# KiCad board jetson-orin-baseboard.kicad_pcb (continued)
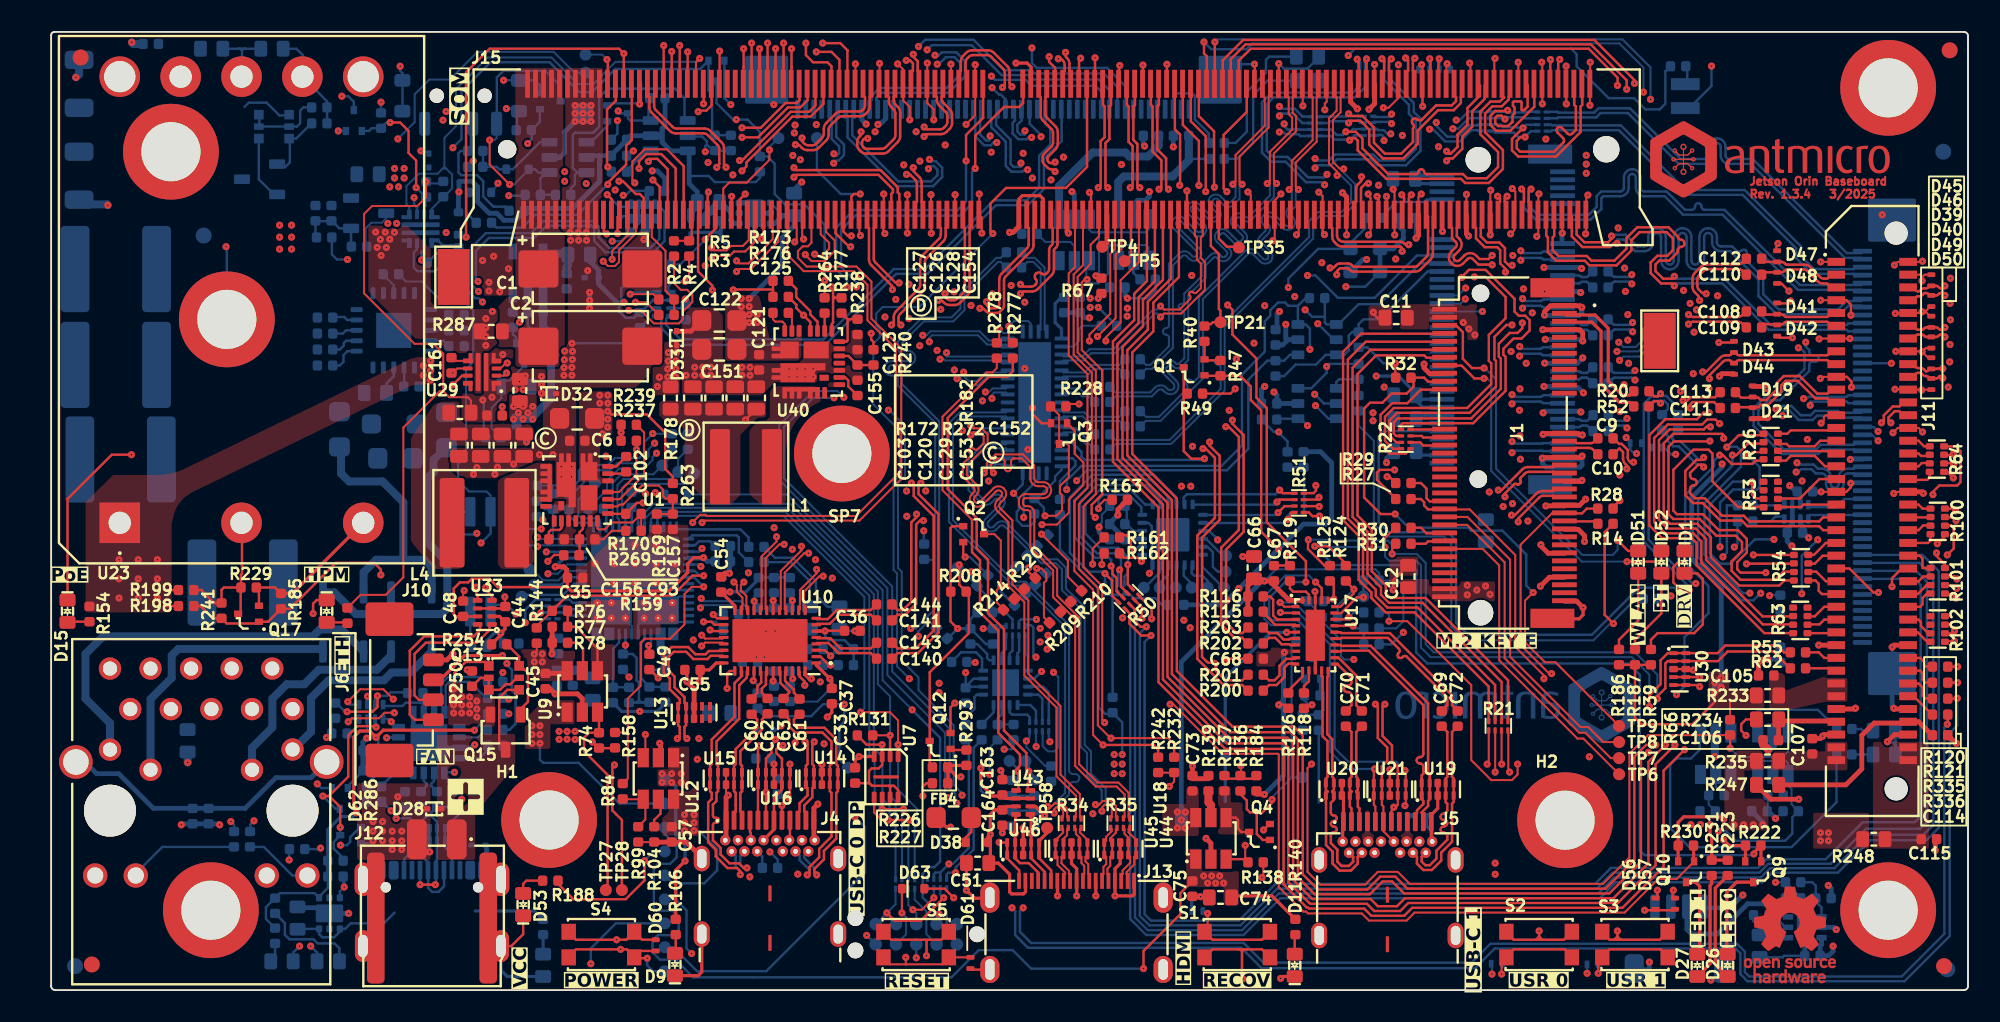
[diagram p0: board, top side]
## Library data of the parts (continued)
C74 = -: Datasheet: https://www.murata.com/products/productdetail?partno=GRM188R61A106KE69%23; Author: Antmicro; Dielectric: template_dielectric; License: Apache-2.0; MPN: GRM188R61A106KE69D; Manufacturer: Murata; Val: 10u; Field12: License: Apache-2.0; Field13: Author: Antmicro
C76 = -: Datasheet: https://product.samsungsem.com/mlcc/CL21B104KCFNNN.do; Author: Antmicro; Dielectric: X7R; License: Apache-2.0; MPN: CL21B104KCFNNNE; Manufacturer: Samsung Electro-Mechanics; Public: False; Val: 100n; Voltage: 100V; Field12: License: Apache-2.0; Field13: Author: Antmicro
C77 = -: Datasheet: https://spicat.kyocera-avx.com/product/mlcc/chartview/06031C103JAT2A/; Author: Antmicro; License: Apache-2.0; MPN: 06031C103JAT2A; Manufacturer: AVX; Val: 10n; Field11: License: Apache-2.0; Field13: Author: Antmicro
C79 C80 C82 = -: Datasheet: https://product.tdk.com/en/search/capacitor/ceramic/mlcc/info?part_no=C5750X7S2A226M280KB; Author: Antmicro; Dielectric: X7S; License: Apache-2.0; MPN: C5750X7S2A226M280KB; Manufacturer: TDK; Public: False; Val: 22u; Voltage: 100V; Field12: Author: Antmicro; Field13: License: Apache-2.0
C81 = -: Datasheet: https://product.tdk.com/en/search/capacitor/ceramic/mlcc/info?part_no=C5750X7S2A226M280KB; Author: Antmicro; Dielectric: X7S; License: Apache-2.0; MPN: C5750X7S2A226M280KB; Manufacturer: TDK; Public: False; Val: 22u; Voltage: 100V; Field13: Author: Antmicro; Field14: License: Apache-2.0
C84 = -: Datasheet: https://product.tdk.com/en/search/capacitor/ceramic/mlcc/info?part_no=C3216X5R1C476M160AB; Author: Antmicro; Dielectric: X5R; License: Apache-2.0; MPN: C3216X5R1C476M160AB; Manufacturer: TDK; Public: False; Val: 47u; Voltage: 16V; Field12: Author: Antmicro; Field13: License: Apache-2.0
C85 = -: Datasheet: https://product.tdk.com/en/search/capacitor/ceramic/mlcc/info?part_no=C3216X5R1C476M160AB; Author: Antmicro; Dielectric: X5R; License: Apache-2.0; MPN: C3216X5R1C476M160AB; Manufacturer: TDK; Public: False; Val: 47u; Voltage: 16V; Field12: License: Apache-2.0; Field13: Author: Antmicro
C93 C98 C106 = -: Datasheet: https://product.tdk.com/en/search/capacitor/ceramic/mlcc/info?part_no=C1005X6S1A105K050BC; Author: Antmicro; License: Apache-2.0; MPN: C1005X6S1A105K050BC; Manufacturer: TDK; Val: 1u; Field11: License: Apache-2.0; Field12: Author: Antmicro
C95 C105 C107 C115 C123 = -: Datasheet: https://product.tdk.com/en/search/capacitor/ceramic/mlcc/info?part_no=C1005X6S1A105K050BC; Author: Antmicro; License: Apache-2.0; MPN: C1005X6S1A105K050BC; Manufacturer: TDK; Val: 1u; Field11: License: Apache-2.0; Field13: Author: Antmicro
C99 = -: Datasheet: https://product.tdk.com/en/search/capacitor/ceramic/mlcc/info?part_no=C1005X6S1A105K050BC; Author: Antmicro; License: Apache-2.0; MPN: C1005X6S1A105K050BC; Manufacturer: TDK; Val: 1u; Field11: Author: Antmicro; Field12: License: Apache-2.0
C103 C128 = -: Datasheet: https://product.samsungsem.com/mlcc/CL10A226MO7JZN.do; Description: SMD Multilayer Ceramic Capacitor; Manufacturer: Samsung Electro-Mechanics; MPN: CL10A226MO7JZNC; Val: 22u; License: Apache-2.0; Author: Antmicro; Voltage: 16V; Field11: License: Apache-2.0; Field12: Author: Antmicro
C114 C142 = -: Datasheet: https://product.tdk.com/en/search/capacitor/ceramic/mlcc/info?part_no=C1005X6S1A105K050BC; Author: Antmicro; License: Apache-2.0; MPN: C1005X6S1A105K050BC; Manufacturer: TDK; Val: 1u; Field11: Author: Antmicro; Field13: License: Apache-2.0
C120 = -: Datasheet: https://product.samsungsem.com/mlcc/CL10A226MO7JZN.do; Description: SMD Multilayer Ceramic Capacitor; Manufacturer: Samsung Electro-Mechanics; MPN: CL10A226MO7JZNC; Val: 22u; License: Apache-2.0; Author: Antmicro; Voltage: 16V; Field12: Author: Antmicro; Field13: License: Apache-2.0
C122 = -: Datasheet: https://product.samsungsem.com/mlcc/CL21A226MAYNNN.do; Author: Antmicro; Dielectric: X5R; License: Apache-2.0; MPN: CL21A226MAYNNNE; Manufacturer: Samsung Electro-Mechanics; Public: False; Val: 22u; Voltage: 25V; Field12: License: Apache-2.0; Field14: Author: Antmicro
C126 C127 C153 = -: Datasheet: https://product.samsungsem.com/mlcc/CL10A226MO7JZN.do; Description: SMD Multilayer Ceramic Capacitor; Manufacturer: Samsung Electro-Mechanics; MPN: CL10A226MO7JZNC; Val: 22u; License: Apache-2.0; Author: Antmicro; Voltage: 16V; Field11: License: Apache-2.0; Field13: Author: Antmicro
C129 = -: Datasheet: https://product.samsungsem.com/mlcc/CL10A226MO7JZN.do; Description: SMD Multilayer Ceramic Capacitor; Manufacturer: Samsung Electro-Mechanics; MPN: CL10A226MO7JZNC; Val: 22u; License: Apache-2.0; Author: Antmicro; Voltage: 16V; Field12: License: Apache-2.0; Field13: Author: Antmicro
C136 = -: Datasheet: https://www.murata.com/products/productdetail?partno=GRM155C61E475ME15%23; Author: Antmicro; Dielectric: X5S; License: Apache-2.0; MPN: GRM155C61E475ME15J; Manufacturer: Murata; Val: 4u7; Voltage: 25V; Field12: Author: Antmicro; Field13: License: Apache-2.0
C145 = -: Datasheet: https://www.kemet.com/en/us/capacitors/product/C0402C470J5GACTU.html; Author: Antmicro; Dielectric: C0G; License: Apache-2.0; MPN: C0402C470J5GACTU; Manufacturer: KEMET; Val: 47p; Field11: License: Apache-2.0; Field13: Author: Antmicro
C146 = -: Datasheet: https://www.kemet.com/en/us/capacitors/product/C0402C470J5GACTU.html; Author: Antmicro; Dielectric: C0G; License: Apache-2.0; MPN: C0402C470J5GACTU; Manufacturer: KEMET; Val: 47p; Field12: License: Apache-2.0; Field13: Author: Antmicro
C147 = -: Datasheet: https://www.murata.com/products/productdetail?partno=GRM155R61E105KE11%23; Author: Antmicro; Dielectric: X5R; License: Apache-2.0; MPN: GRM155R61E105KE11J; Manufacturer: Murata; Val: 1u; Voltage: 25V; Field11: Author: Antmicro; Field12: License: Apache-2.0
C148 = -: Datasheet: https://www.murata.com/products/productdetail?partno=GRM155C61E475ME15%23; Author: Antmicro; Dielectric: X5S; License: Apache-2.0; MPN: GRM155C61E475ME15J; Manufacturer: Murata; Val: 4u7; Voltage: 25V; Field11: License: Apache-2.0; Field13: Author: Antmicro
C149 = -: Datasheet: https://www.murata.com/products/productdetail?partno=GRM155R61E105KE11%23; Author: Antmicro; Dielectric: X5R; License: Apache-2.0; MPN: GRM155R61E105KE11J; Manufacturer: Murata; Val: 1u; Voltage: 25V; Field11: License: Apache-2.0; Field12: Author: Antmicro
C150 = -: Datasheet: https://www.murata.com/products/productdetail?partno=GRM155R61E105KE11%23; Author: Antmicro; Dielectric: X5R; License: Apache-2.0; MPN: GRM155R61E105KE11J; Manufacturer: Murata; Val: 1u; Voltage: 25V; Field12: License: Apache-2.0; Field13: Author: Antmicro
C151 = -: Datasheet: https://product.samsungsem.com/mlcc/CL21A226MAYNNN.do; Author: Antmicro; Dielectric: X5R; License: Apache-2.0; MPN: CL21A226MAYNNNE; Manufacturer: Samsung Electro-Mechanics; Public: False; Val: 22u; Voltage: 25V; Field13: Author: Antmicro; Field14: License: Apache-2.0
C154 = -: Datasheet: https://product.samsungsem.com/mlcc/CL10A226MO7JZN.do; Description: SMD Multilayer Ceramic Capacitor; Manufacturer: Samsung Electro-Mechanics; MPN: CL10A226MO7JZNC; Val: 22u; License: Apache-2.0; Author: Antmicro; Voltage: 16V; Field11: Author: Antmicro; Field12: License: Apache-2.0
C155 = -: Datasheet: https://www.murata.com/products/productdetail?partno=GRM155C61E475ME15%23; Author: Antmicro; Dielectric: X5S; License: Apache-2.0; MPN: GRM155C61E475ME15J; Manufacturer: Murata; Val: 4u7; Voltage: 25V; Field11: License: Apache-2.0; Field12: Author: Antmicro
C156 = -: Datasheet: https://www.murata.com/products/productdetail?partno=GRM155C61E475ME15%23; Author: Antmicro; Dielectric: X5S; License: Apache-2.0; MPN: GRM155C61E475ME15J; Manufacturer: Murata; Val: 4u7; Voltage: 25V; Field11: Author: Antmicro; Field12: License: Apache-2.0
C160 = -: Datasheet: https://www.murata.com/products/productdetail?partno=GRM1555C1H102JA01%23; Description: SMD Multilayer Ceramic Capacitor, 1000 pF, 50 V, 0402 [1005 Metric], ± 5%, C0G / NP0, GRM Series; MPN: GRM1555C1H102JA01D; Manufacturer: Murata; License: Apache-2.0; Author: Antmicro; Val: 1n; Voltage: 50V; Dielectric: C0G; Field12: Author: Antmicro; Field13: License: Apache-2.0
C161 = -: Datasheet: https://www.kemet.com/en/us/capacitors/product/C0402C102J4RACTU.html; Description: SMD Multilayer Ceramic Capacitor, 1nF, 16V, 0402, ±5%, X7R; MPN: C0402C102J4RACTU; Val: 1n; Voltage: 16V; Dielectric: X7R; Manufacturer: KEMET; License: Apache-2.0; Author: Antmicro; Field12: Author: Antmicro; Field13: License: Apache-2.0
D1 D4 D5 D51 = -: Datasheet: https://media.digikey.com/pdf/Data%20Sheets/Lite-On%20PDFs/LTST-C190GKT.pdf; Author: Antmicro; Color: Green; License: Apache-2.0; MPN: LTST-C190GKT; Manufacturer: Lite-On; Field10: Author: Antmicro; Field11: License: Apache-2.0
D2 D52 = -: Datasheet: https://media.digikey.com/pdf/Data%20Sheets/Lite-On%20PDFs/LTST-C190GKT.pdf; Author: Antmicro; Color: Green; License: Apache-2.0; MPN: LTST-C190GKT; Manufacturer: Lite-On; Field9: Author: Antmicro; Field11: License: Apache-2.0
D3 D53 D54 = -: Datasheet: https://media.digikey.com/pdf/Data%20Sheets/Lite-On%20PDFs/LTST-C190GKT.pdf; Author: Antmicro; Color: Green; License: Apache-2.0; MPN: LTST-C190GKT; Manufacturer: Lite-On; Field9: Author: Antmicro; Field10: License: Apache-2.0
D6 D28 = -: Datasheet: https://toshiba.semicon-storage.com/info/DF2S30FS_datasheet_en_20211216.pdf?did=11156&prodName=DF2S30FS; Author: Antmicro; License: Apache-2.0; MPN: DF2S30FS; Manufacturer: Toshiba; Field8: License: Apache-2.0; Field9: Author: Antmicro
D7 = -: Datasheet: https://toshiba.semicon-storage.com/info/DF2S30FS_datasheet_en_20211216.pdf?did=11156&prodName=DF2S30FS; Author: Antmicro; License: Apache-2.0; MPN: DF2S30FS; Manufacturer: Toshiba; Field8: License: Apache-2.0; Field10: Author: Antmicro
D8 D9 D20 D24 D25 = -: Datasheet: https://media.digikey.com/pdf/Data%20Sheets/Lite-On%20PDFs/LTST-C190GKT.pdf; Author: Antmicro; Color: Green; License: Apache-2.0; MPN: LTST-C190GKT; Manufacturer: Lite-On; Field9: License: Apache-2.0; Field11: Author: Antmicro
D10 D31 = -: Datasheet: https://www.onsemi.com/pdf/datasheet/esd9x3.3st5g-d.pdf; Author: Antmicro; License: Apache-2.0; Manufacturer: ON Semiconductor; Field8: License: Apache-2.0; Field9: Author: Antmicro
D11 D15 = -: Datasheet: https://media.digikey.com/pdf/Data%20Sheets/Lite-On%20PDFs/LTST-C190GKT.pdf; Author: Antmicro; Color: Green; License: Apache-2.0; MPN: LTST-C190GKT; Manufacturer: Lite-On; Field10: License: Apache-2.0; Field11: Author: Antmicro
D12 D13 = -: Datasheet: https://www.bourns.com/docs/product-datasheets/CD-MMBL110S.pdf; Author: Antmicro; License: Apache-2.0; Manufacturer: Bourns; Field9: License: Apache-2.0; Field10: Author: Antmicro
D14 = -: Datasheet: https://assets.nexperia.com/documents/data-sheet/PTVSXS1UR_SER.pdf; Author: Antmicro; License: Apache-2.0; Manufacturer: Nexperia; Field8: Author: Antmicro; Field9: License: Apache-2.0
D16 D21 D44 D47 D50 D61 = -: Datasheet: https://www.ti.com/general/docs/suppproductinfo.tsp?distId=26&gotoUrl=https://www.ti.com/lit/gpn/tpd1e0b04; MPN: TPD1E0B04DPYR; Manufacturer: Texas Instruments; Author: Antmicro; License: Apache-2.0; Field8: Author: Antmicro; Field10: License: Apache-2.0
D17 D19 D57 D59 = -: Datasheet: https://www.ti.com/general/docs/suppproductinfo.tsp?distId=26&gotoUrl=https://www.ti.com/lit/gpn/tpd1e0b04; MPN: TPD1E0B04DPYR; Manufacturer: Texas Instruments; Author: Antmicro; License: Apache-2.0; Field9: Author: Antmicro; Field10: License: Apache-2.0
D18 D26 D27 = -: Datasheet: https://media.digikey.com/pdf/Data%20Sheets/Lite-On%20PDFs/LTST-C190GKT.pdf; Author: Antmicro; Color: Green; License: Apache-2.0; MPN: LTST-C190GKT; Manufacturer: Lite-On; Field9: License: Apache-2.0; Field10: Author: Antmicro
D22 D39 D48 D56 D58 = -: Datasheet: https://www.ti.com/general/docs/suppproductinfo.tsp?distId=26&gotoUrl=https://www.ti.com/lit/gpn/tpd1e0b04; MPN: TPD1E0B04DPYR; Manufacturer: Texas Instruments; Author: Antmicro; License: Apache-2.0; Field9: License: Apache-2.0; Field10: Author: Antmicro
D23 D42 D46 D55 = -: Datasheet: https://www.ti.com/general/docs/suppproductinfo.tsp?distId=26&gotoUrl=https://www.ti.com/lit/gpn/tpd1e0b04; MPN: TPD1E0B04DPYR; Manufacturer: Texas Instruments; Author: Antmicro; License: Apache-2.0; Field8: Author: Antmicro; Field9: License: Apache-2.0
D29 = -: Datasheet: https://toshiba.semicon-storage.com/info/DF2S30FS_datasheet_en_20211216.pdf?did=11156&prodName=DF2S30FS; Author: Antmicro; License: Apache-2.0; MPN: DF2S30FS; Manufacturer: Toshiba; Field8: Author: Antmicro; Field9: License: Apache-2.0
D30 D32 = -: Datasheet: https://www.onsemi.com/pdf/datasheet/esd9x3.3st5g-d.pdf; Author: Antmicro; License: Apache-2.0; Manufacturer: ON Semiconductor; Field9: License: Apache-2.0; Field10: Author: Antmicro
D33 = -: Datasheet: https://www.onsemi.com/pdf/datasheet/esd9x3.3st5g-d.pdf; Author: Antmicro; License: Apache-2.0; Manufacturer: ON Semiconductor; Field8: Author: Antmicro; Field9: License: Apache-2.0
D34 = -: Datasheet: https://www.onsemi.com/pdf/datasheet/rb521s30t1-d.pdf; Author: Antmicro; License: Apache-2.0; Manufacturer: ON Semiconductor; Field8: Author: Antmicro; Field9: License: Apache-2.0
D35 = -: Datasheet: https://www.onsemi.com/pdf/datasheet/rb521s30t1-d.pdf; Author: Antmicro; License: Apache-2.0; Manufacturer: ON Semiconductor; Field9: License: Apache-2.0; Field10: Author: Antmicro
D36 = -: Datasheet: https://www.onsemi.com/pdf/datasheet/rb521s30t1-d.pdf; Author: Antmicro; License: Apache-2.0; Manufacturer: ON Semiconductor; Field8: License: Apache-2.0; Field10: Author: Antmicro
D37 D63 = -: Datasheet: https://www.onsemi.com/pdf/datasheet/rb521s30t1-d.pdf; Author: Antmicro; License: Apache-2.0; Manufacturer: ON Semiconductor; Field8: Author: Antmicro; Field10: License: Apache-2.0
D38 = -: Datasheet: https://www.onsemi.com/pdf/datasheet/rb521s30t1-d.pdf; Author: Antmicro; License: Apache-2.0; Manufacturer: ON Semiconductor; Field9: Author: Antmicro; Field10: License: Apache-2.0
D40 D41 D43 D49 D60 = -: Datasheet: https://www.ti.com/general/docs/suppproductinfo.tsp?distId=26&gotoUrl=https://www.ti.com/lit/gpn/tpd1e0b04; MPN: TPD1E0B04DPYR; Manufacturer: Texas Instruments; Author: Antmicro; License: Apache-2.0; Field8: License: Apache-2.0; Field9: Author: Antmicro
D45 = -: Datasheet: https://www.ti.com/general/docs/suppproductinfo.tsp?distId=26&gotoUrl=https://www.ti.com/lit/gpn/tpd1e0b04; MPN: TPD1E0B04DPYR; Manufacturer: Texas Instruments; Author: Antmicro; License: Apache-2.0; Field8: License: Apache-2.0; Field10: Author: Antmicro
D62 = -: Datasheet: https://media.digikey.com/pdf/Data%20Sheets/Lite-On%20PDFs/LTST-C190GKT.pdf; MPN: LTST-C190GKT; Manufacturer: Lite-On; Author: Antmicro; License: Apache-2.0; Color: Green; Field9: License: Apache-2.0; Field10: Author: Antmicro
FB2 FB4 = -: Datasheet: https://www.murata.com/products/productdata/8796738977822/ENFA0005.pdf?1653276712000; Author: Antmicro; License: Apache-2.0; MPN: BLM21PG221SN1D; Manufacturer: Murata; Val: 220Z/2A; Field10: License: Apache-2.0; Field11: Author: Antmicro
FB3 = -: Datasheet: https://www.murata.com/products/productdata/8796738977822/ENFA0005.pdf?1653276712000; Author: Antmicro; License: Apache-2.0; MPN: BLM21PG221SN1D; Manufacturer: Murata; Val: 220Z/2A; Field10: Author: Antmicro; Field12: License: Apache-2.0
FID1 FID3 FID8 = -: Field4: License: Apache-2.0; Field5: Author: Antmicro
FID2 FID6 REF** = -: Field4: License: Apache-2.0; Field6: Author: Antmicro
FID4 FID5 = -: Field5: Author: Antmicro; Field6: License: Apache-2.0
FID7 REF**#2 = -: Field4: Author: Antmicro; Field6: License: Apache-2.0
H1 H5 = -: Datasheet: https://www.we-online.com/components/products/datasheet/9774065151R.pdf; Author: Antmicro; License: Apache-2.0; MPN: 9774065151R; Manufacturer: Würth Elektronik; Field9: Author: Antmicro; Field10: License: Apache-2.0
H2 = -: Datasheet: https://www.we-online.com/components/products/datasheet/9774065151R.pdf; Author: Antmicro; License: Apache-2.0; MPN: 9774065151R; Manufacturer: Würth Elektronik; Field8: Author: Antmicro; Field10: License: Apache-2.0
H3 = -: Datasheet: https://www.we-online.com/components/products/datasheet/9774065151R.pdf; Author: Antmicro; License: Apache-2.0; MPN: 9774065151R; Manufacturer: Würth Elektronik; Field8: License: Apache-2.0; Field9: Author: Antmicro
H4 H6 = -: Datasheet: https://www.we-online.com/components/products/datasheet/9774065151R.pdf; Author: Antmicro; License: Apache-2.0; MPN: 9774065151R; Manufacturer: Würth Elektronik; Field8: Author: Antmicro; Field9: License: Apache-2.0
J1 = -: Datasheet: https://www.te.com/usa-en/product-2199230-6.datasheet.pdf; Author: Antmicro; License: Apache-2.0; MPN: 2199230-6; Manufacturer: TE Connectivity; Field9: License: Apache-2.0; Field10: Author: Antmicro
J2 = -: Datasheet: https://www.te.com/commerce/DocumentDelivery/DDEController?Action=srchrtrv&DocNm=2199230&DocType=Customer+Drawing&DocLang=English; Author: Antmicro; License: Apache-2.0; MPN: 1-2199230-6; Manufacturer: TE Connectivity; Field9: License: Apache-2.0; Field10: Author: Antmicro
J3 = -: Datasheet: https://gct.co/files/drawings/usb4105.pdf; Author: Antmicro; License: Apache-2.0; MPN: USB4105-GF-A; Manufacturer: GCT; Field9: License: Apache-2.0; Field10: Author: Antmicro; Field11: PCB-EDGE
J4 = -: Datasheet: https://www.we-online.com/components/products/datasheet/632723300011.pdf; Author: Antmicro; License: Apache-2.0; MPN: 632723300011; Manufacturer: Würth Elektronik; Field8: Author: Antmicro; Field9: License: Apache-2.0
J5 = -: Datasheet: https://www.we-online.com/components/products/datasheet/632723300011.pdf; Author: Antmicro; License: Apache-2.0; MPN: 632723300011; Manufacturer: Würth Elektronik; Field8: License: Apache-2.0; Field9: Author: Antmicro
J6 = -: Datasheet: https://www.te.com/commerce/DocumentDelivery/DDEController?Action=showdoc&DocId=Customer+Drawing%7F5-2337992-8%7FA%7Fpdf%7FEnglish%7FENG_CD_5-2337992-8_A.pdf%7F5-2337992-8; Author: Antmicro; License: Apache-2.0; MPN: 5-2337992-8; Manufacturer: TE Connectivity; Field8: Author: Antmicro; Field10: License: Apache-2.0; ki_fp_filters: CONN18_5-2337992-8_TEC
J7 = -: Datasheet: https://www.we-online.com/components/products/datasheet/68715014522.pdf; Author: Antmicro; License: Apache-2.0; MPN: 68715014522; Manufacturer: Würth Elektronik; Field8: Author: Antmicro; Field9: License: Apache-2.0
J8 = -: Datasheet: https://www.we-online.com/components/products/datasheet/68715014522.pdf; Author: Antmicro; License: Apache-2.0; MPN: 68715014522; Manufacturer: Würth Elektronik; Field9: License: Apache-2.0; Field10: Author: Antmicro
J9 = -: Datasheet: https://www.tag-connect.com/wp-content/uploads/bsk-pdf-manager/TC2050-IDC-NL_Datasheet_8.pdf; Author: Antmicro; License: Apache-2.0; MPN: TC2050-IDC-NL; Manufacturer: Tag Connect; Field8: License: Apache-2.0; Field10: Author: Antmicro
J10 = -: Datasheet: https://www.molex.com/molex/products/part-detail/pcb_headers/0533980471; Author: Antmicro; License: Apache-2.0; MPN: 0533980471; Manufacturer: Molex; Field9: Author: Antmicro; Field10: License: Apache-2.0
J11 = -: Datasheet: https://suddendocs.samtec.com/catalog_english/erf8.pdf; Author: Antmicro; License: Apache-2.0; MPN: ERF8-040-05.0-L-DV-K-TR; Manufacturer: Samtec; Pitch: 0.8 mm; Field9: Author: Antmicro; Field10: License: Apache-2.0
J12 = -: Datasheet: https://www.farnell.com/cad/3578051.pdf; Author: Antmicro; License: Apache-2.0; MPN: 105430-1202; Manufacturer: Molex; Field9: Author: Antmicro; Field10: License: Apache-2.0
J13 = -: Datasheet: https://www.we-online.com/components/products/datasheet/685119136923.pdf; Author: Antmicro; License: Apache-2.0; MPN: 685119136923; Manufacturer: Würth Elektronik; Field8: Author: Antmicro; Field10: License: Apache-2.0
J14 = -: Datasheet: https://www.jst-mfg.com/product/pdf/eng/eSH.pdf; Author: Antmicro; License: Apache-2.0; MPN: SM04B-SRSS-TB(LF)(SN); Manufacturer: JST Automotive Connectors; Field8: Author: Antmicro; Field10: License: Apache-2.0
J15 = -: Datasheet: https://developer.nvidia.com/jetson-orin-nx-series-data-sheet; Author: Antmicro; License: Apache-2.0; MPN: 2309413-1; Manufacturer: TE Connectivity; Field8: License: Apache-2.0; Field10: Author: Antmicro
L1 = -: Datasheet: https://www.bourns.com/docs/Product-Datasheets/SRP5030CA.pdf; Author: Antmicro; IMax: 17.7 A; ISat: 22.2 A; License: Apache-2.0; MPN: SRP5030CA-R56M; Manufacturer: Bourns; Size: 5.5x5.3; Val: 560n/17.7A; Field13: Author: Antmicro; Field14: License: Apache-2.0
L4 = -: Datasheet: https://www.bourns.com/docs/Product-Datasheets/SRP6050CA.pdf; Author: Antmicro; IMax: 20 A; ISat: 23 A; License: Apache-2.0; MPN: SRP6050CA-1R0M; Manufacturer: Bourns; Size: 6.6x6.4; Val: 1u/20A; Field12: License: Apache-2.0; Field14: Author: Antmicro
M1 = -: Datasheet: https://static6.arrow.com/aropdfconversion/c4902ff7fe8bae4b5d563d5e41c1cfab77501490/jetson-orin-nx-datasheet-nvidia-us-web-2605318-5.pdf; Author: Antmicro; Displayed name: Jetson Orin NX Nano; License: Apache-2.0; MPN: 900-13767-0000-000; Manufacturer: Nvidia; Field10: Author: Antmicro; Field11: License: Apache-2.0
M3 TP2 TP3 TP20 TP31 TP35 TP37 TP38 TP40 TP41 TP43 = -: Author: Antmicro; License: Apache-2.0; Field8: License: Apache-2.0; Field9: Author: Antmicro
Q1 Q9 Q12 Q17 Q19-Q21 = -: Datasheet: https://www.mouser.com/datasheet/2/1057/PJE138K-1876698.pdf; Author: Antmicro; License: Apache-2.0; MPN: PJE138K_R1_00001; Manufacturer: PANJIT; Field8: License: Apache-2.0; Field10: Author: Antmicro
Q2 Q4 = -: Datasheet: https://www.mouser.com/datasheet/2/1057/PJE138K-1876698.pdf; Author: Antmicro; License: Apache-2.0; MPN: PJE138K_R1_00001; Manufacturer: PANJIT; Field8: Author: Antmicro; Field10: License: Apache-2.0
Q3 = -: Datasheet: https://www.mouser.com/datasheet/2/1057/PJE138K-1876698.pdf; Author: Antmicro; License: Apache-2.0; MPN: PJE138K_R1_00001; Manufacturer: PANJIT; Field9: License: Apache-2.0; Field10: Author: Antmicro
Q5 = -: Datasheet: https://www.mouser.com/datasheet/2/1057/PJE138K-1876698.pdf; Author: Antmicro; License: Apache-2.0; MPN: PJE138K_R1_00001; Manufacturer: PANJIT; Field8: License: Apache-2.0; Field9: Author: Antmicro
Q6 = -: Datasheet: https://www.mouser.com/datasheet/2/408/SSM3J332R_datasheet_en_20181015-1150575.pdf; MPN: SSM3J332R,LF; Manufacturer: Toshiba; Author: Antmicro; License: Apache-2.0; Field8: License: Apache-2.0; Field9: Author: Antmicro
Q7 Q8 Q11 = -: Datasheet: https://www.mouser.com/datasheet/2/1057/PJE138K-1876698.pdf; Author: Antmicro; License: Apache-2.0; MPN: PJE138K_R1_00001; Manufacturer: PANJIT; Field9: Author: Antmicro; Field10: License: Apache-2.0
Q10 = -: Datasheet: https://www.mouser.com/datasheet/2/1057/PJE138K-1876698.pdf; Author: Antmicro; License: Apache-2.0; MPN: PJE138K_R1_00001; Manufacturer: PANJIT; Field8: Author: Antmicro; Field9: License: Apache-2.0
Q13 = -: Datasheet: https://www.diodes.com/assets/Datasheets/BCM857BS.pdf; Author: Antmicro; License: Apache-2.0; Manufacturer: Diodes Incorporated; Field8: Author: Antmicro; Field10: License: Apache-2.0
Q14 = -: Datasheet: https://www.diodes.com/assets/Datasheets/BCM857BS.pdf; Author: Antmicro; License: Apache-2.0; Manufacturer: Diodes Incorporated; Field8: License: Apache-2.0; Field9: Author: Antmicro
Q15 = -: Datasheet: https://www.mouser.com/datasheet/2/408/SSM3J332R_datasheet_en_20181015-1150575.pdf; Author: Antmicro; License: Apache-2.0; MPN: SSM3J332R,LF; Manufacturer: Toshiba; Field8: Author: Antmicro; Field9: License: Apache-2.0
Q16 = -: Datasheet: https://www.mouser.com/datasheet/2/408/SSM3J332R_datasheet_en_20181015-1150575.pdf; Author: Antmicro; License: Apache-2.0; MPN: SSM3J332R,LF; Manufacturer: Toshiba; Field8: License: Apache-2.0; Field9: Author: Antmicro
Q18 = -: Datasheet: https://www.mouser.com/datasheet/2/408/SSM3J332R_datasheet_en_20181015-1150575.pdf; Author: Antmicro; License: Apache-2.0; MPN: SSM3J332R,LF; Manufacturer: Toshiba; Field9: Author: Antmicro; Field10: License: Apache-2.0
Q22 = -: Datasheet: https://www.mouser.com/datasheet/2/1057/PJE138K-1876698.pdf; MPN: PJE138K_R1_00001; Manufacturer: PANJIT; Author: Antmicro; License: Apache-2.0; Field8: Author: Antmicro; Field10: License: Apache-2.0
R1 R29 R40 R57 R65 R75 R76 R82 R84 R113 R125 R129 R134 R144 R174 R202 R203 R245 R277 = -: Datasheet: https://industrial.panasonic.com/cdbs/www-data/pdf/RDA0000/AOA0000C301.pdf; Author: Antmicro; Current: 1A; License: Apache-2.0; MPN: ERJ2GE0R00X; Manufacturer: Panasonic; Val: 0R; Field12: License: Apache-2.0; Field13: Author: Antmicro
R2 R12 R17 R31 R41 R70 R79 R118 R121 R161 R162 R168 R200 R215 R218 R264 = -: Datasheet: https://industrial.panasonic.com/cdbs/www-data/pdf/RDA0000/AOA0000C301.pdf; Author: Antmicro; Current: 1A; License: Apache-2.0; MPN: ERJ2GE0R00X; Manufacturer: Panasonic; Val: 0R; Field11: License: Apache-2.0; Field13: Author: Antmicro
R3 R14 R18 R52 R55 R56 R71 R171 R260 = -: Datasheet: https://industrial.panasonic.com/cdbs/www-data/pdf/RDA0000/AOA0000C301.pdf; Author: Antmicro; Current: 1A; License: Apache-2.0; MPN: ERJ2GE0R00X; Manufacturer: Panasonic; Val: 0R; Field11: Author: Antmicro; Field13: License: Apache-2.0